# KiCad board lpddr5-testbed.kicad_pcb (continued)
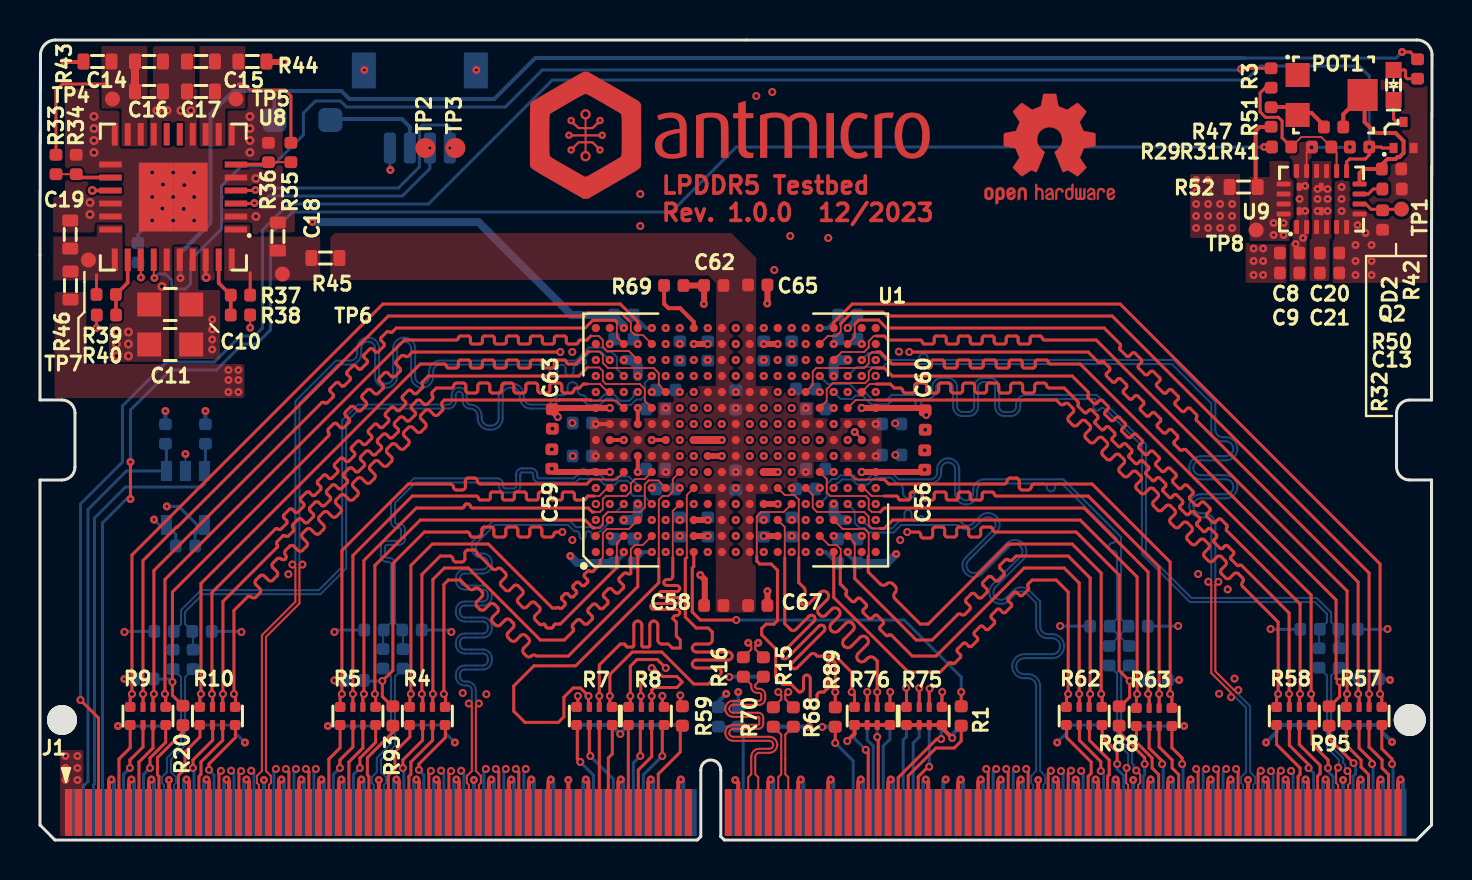
[diagram p0: board, top side]
## Routing (per net, layer and track width the routed paths; a pad name or vN(x,y) marks a point on that pad's centre or on a via; arc(x,y) is an arc through that point) (continued)
  Bottom w0.102: v2(21.95,6.83) 21.8,6.97
/LPDDR5/LPDDR5_A.RDQS1_N: length 47.3
  Top w0.1: 10.95,1.38 10.95,2.76 10.85,2.86 10.85,3.2
  Top w0.102: v2(12.62,13.77) 12.77,13.62 12.77,11.91 11.1,10.24 11.1,3.45 10.85,3.2 10.85,3.2
  Bottom w0.1: v1(29.2,23.2) 28.85,23.55 28.85,24.15 28.6,24.4 28.37,24.4 28.14,24.63 27.87,24.63
  Bottom w0.102: 27.87,24.63 27.46,24.63 26.8,23.97 20.01,23.97 arc(19.62,23.81) 19.46,23.42 19.46,23.17 arc(19.36,22.92) 19.11,22.82 arc(18.87,22.92) 18.77,23.17 18.77,24.57 arc(18.6,24.96) 18.21,25.12 arc(17.82,24.96) 17.66,24.57 17.66,23.17 arc(17.56,22.92) 17.31,22.82 arc(17.07,22.92) 16.97,23.17 16.97,24.57 arc(16.8,24.96) 16.41,25.12 arc(16.02,24.96) 15.86,24.57 15.86,24.32 arc(15.76,24.07) 15.51,23.97 14.8,23.97 12.77,21.94 12.77,13.92 v2(12.62,13.77)
/LPDDR5/LPDDR5_A.RDQS1_P: length 47.3
  Top w0.1: 11.55,3.2 11.55,2.86 11.45,2.76 11.45,1.38
  Top w0.102: 11.55,3.2 11.55,3.2 11.3,3.45 11.3,10.15 12.98,11.83 12.98,13.62 v2(13.13,13.77)
  Bottom w0.1: v1(28.5,24) 28.48,24 28.06,24.42 27.87,24.42
  Bottom w0.102: v2(13.13,13.77) 12.98,13.92 12.98,21.86 14.89,23.77 15.51,23.77 arc(15.9,23.93) 16.07,24.32 16.07,24.57 arc(16.17,24.82) 16.41,24.92 arc(16.66,24.82) 16.76,24.57 16.76,23.17 arc(16.92,22.78) 17.31,22.62 arc(17.7,22.78) 17.87,23.17 17.87,24.57 arc(17.97,24.82) 18.21,24.92 arc(18.46,24.82) 18.56,24.57 18.56,23.17 arc(18.72,22.78) 19.11,22.62 arc(19.5,22.78) 19.67,23.17 19.67,23.42 arc(19.77,23.67) 20.01,23.77 25.29,23.77 arc(25.43,23.71) 25.49,23.57 25.49,23.42 arc(25.55,23.28) 25.69,23.22 arc(25.83,23.28) 25.89,23.42 25.89,23.57 arc(25.95,23.71) 26.09,23.77 arc(26.23,23.71) 26.29,23.57 26.29,23.42 arc(26.35,23.28) 26.49,23.22 arc(26.63,23.28) 26.69,23.42 26.69,23.57 arc(26.75,23.71) 26.89,23.77 26.94,23.83 arc(27.03,23.86) 27.12,23.83 27.12,23.82 arc(27.21,23.79) 27.29,23.82 arc(27.33,23.91) 27.29,23.99 27.29,24 arc(27.25,24.08) 27.29,24.17 27.54,24.42 27.87,24.42
/LPDDR5/LPDDR5_A.WCK0_N: length 24.7
  Bottom w0.1: v1(29.9,17.6) 29.9,17.78 29.81,17.87 29.76,17.87 29.49,18.13 ; R11.2 17.16,10.47 R25.1
  Bottom w0.102: R25.1 17.55,10.86 17.55,13.81 arc(17.52,13.88) 17.46,13.91 17.35,13.91 arc(17.14,14) 17.05,14.21 17.05,14.66 arc(17.14,14.87) 17.35,14.96 17.96,14.96 arc(18.03,14.99) 18.06,15.06 18.06,15.51 arc(18.03,15.58) 17.96,15.61 17.86,15.61 arc(17.64,15.7) 17.55,15.91 17.55,16.93 18.7,18.08 22.87,18.08 arc(23.08,17.99) 23.17,17.78 23.17,17.68 arc(23.2,17.61) 23.27,17.58 23.72,17.58 arc(23.79,17.61) 23.82,17.68 23.82,18.28 arc(23.9,18.49) 24.12,18.58 24.57,18.58 arc(24.78,18.49) 24.87,18.28 24.87,18.18 arc(24.9,18.11) 24.97,18.08 26.7,18.08 26.88,18.26 26.92,18.26 arc(27.01,18.3) 27.05,18.39 27.05,18.44 arc(27.09,18.52) 27.17,18.56 arc(27.26,18.52) 27.3,18.44 27.3,18.39 arc(27.34,18.3) 27.42,18.26 arc(27.51,18.3) 27.55,18.39 27.55,18.44 arc(27.59,18.52) 27.67,18.56 arc(27.76,18.52) 27.8,18.44 27.8,18.39 arc(27.84,18.3) 27.92,18.26 28.03,18.26 28.32,17.97 28.67,17.97 28.87,18.17 29.46,18.17 29.49,18.13
/LPDDR5/LPDDR5_A.WCK0_P: length 24.8
  Bottom w0.1: 29.41,17.93 29.55,17.79 29.55,17.33 29.68,17.2 30.2,17.2 v1(30.6,16.8) ; R12.2 18.16,10.47 R48.1
  Bottom w0.102: R48.1 17.76,10.86 17.76,13.81 arc(17.67,14.02) 17.46,14.11 17.35,14.11 arc(17.28,14.14) 17.26,14.21 17.26,14.66 arc(17.28,14.73) 17.35,14.76 17.96,14.76 arc(18.17,14.85) 18.26,15.06 18.26,15.51 arc(18.17,15.72) 17.96,15.81 17.86,15.81 arc(17.79,15.84) 17.76,15.91 17.76,16.85 18.79,17.88 22.87,17.88 arc(22.94,17.85) 22.97,17.78 22.97,17.68 arc(23.05,17.47) 23.27,17.38 23.72,17.38 arc(23.93,17.47) 24.02,17.68 24.02,18.28 arc(24.05,18.35) 24.12,18.38 24.57,18.38 arc(24.64,18.35) 24.67,18.28 24.67,18.18 arc(24.75,17.97) 24.97,17.88 26.79,17.88 26.97,18.06 27.94,18.06 28.23,17.77 28.76,17.77 28.96,17.97 29.37,17.97 29.41,17.93
/LPDDR5/LPDDR5_A.WCK1_N: length 39.6
  Bottom w0.09: v1(29.9,22.4) 29.83,22.4
  Bottom w0.1: v1(29.9,22.4) 29.8,22.4 ; R13.2 6.66,10.39 R49.1
  Bottom w0.102: 29.81,22.4 29.83,22.4 ; 29.8,22.4 29.7,22.4 29.7,22.18 29.47,21.96 29.02,21.96 28.71,22.27 28.23,22.27 27.92,21.96 27.48,21.96 27.2,22.24 27.14,22.24 arc(26.96,22.31) 26.89,22.49 26.89,22.64 arc(26.81,22.82) 26.64,22.89 arc(26.46,22.82) 26.39,22.64 26.39,22.49 arc(26.31,22.31) 26.14,22.24 25.9,22.24 25.43,21.77 24.57,21.77 arc(24.3,21.88) 24.19,22.14 24.19,22.25 arc(24.02,22.65) 23.62,22.82 23.52,22.82 arc(23.11,22.65) 22.94,22.25 22.94,21.09 arc(22.83,20.83) 22.57,20.72 22.47,20.72 arc(22.2,20.83) 22.09,21.09 22.09,21.19 arc(21.92,21.6) 21.52,21.77 arc(21.39,21.82) 21.34,21.94 21.34,22.25 arc(21.23,22.51) 20.97,22.62 arc(20.7,22.51) 20.59,22.25 20.59,21.94 arc(20.54,21.82) 20.42,21.77 15.9,21.77 15.11,20.98 15.11,13.66 13.94,12.49 8.05,12.49 7.05,11.49 7.05,10.79 R49.1
/LPDDR5/LPDDR5_A.WCK1_P: length 39.6
  Bottom w0.1: R14.2 7.66,10.39 R53.1 ; v1(30.6,23.2) 30.25,22.85 30.25,22.21 30.06,22.02
  Bottom w0.102: R53.1 7.26,10.79 7.26,11.41 8.14,12.29 14.03,12.29 15.32,13.58 15.32,20.9 15.99,21.57 20.42,21.57 arc(20.68,21.68) 20.79,21.94 20.79,22.25 arc(20.84,22.37) 20.97,22.42 arc(21.09,22.37) 21.14,22.25 21.14,21.94 arc(21.25,21.68) 21.52,21.57 arc(21.78,21.46) 21.89,21.19 21.89,21.09 arc(22.06,20.69) 22.47,20.52 22.57,20.52 arc(22.97,20.69) 23.14,21.09 23.14,22.25 arc(23.25,22.51) 23.52,22.62 23.62,22.62 arc(23.88,22.51) 23.99,22.25 23.99,22.14 arc(24.16,21.74) 24.57,21.57 25.52,21.57 25.99,22.04 27.11,22.04 27.39,21.76 28.01,21.76 28.32,22.07 28.62,22.07 28.93,21.76 29.56,21.76 29.82,22.02 30.06,22.02
/LPDDR5/LPDDR5_B.CA0: length 21.9
  Top w0.15: R75.3 v2(43.97,7.6)
  In3.Cu w0.09: 40.72,13.6 40.75,13.62 40.75,19.76 41.09,20.11 41.09,20.73 40.75,21.07 40.75,22.53 40.49,22.8 38,22.8 v1(37.6,23.2)
  In3.Cu w0.15: v2(43.97,7.6) 43.97,10.1 40.72,13.35 40.72,13.6
  Bottom w0.15: R75.3 v2(43.97,7.6)
/LPDDR5/LPDDR5_B.CA1: length 21.8
  Top w0.15: R75.4 43.34,7.6 v2(43.33,7.61)
  In3.Cu w0.09: 40.03,13.6 40.05,13.62 40.05,21.78 39.83,22 37.3,22 v1(36.9,22.4)
  In3.Cu w0.15: v2(43.33,7.61) 43.33,7.61 43.33,8.53 arc(43.4,8.64) 43.53,8.69 arc(43.67,8.75) 43.72,8.89 43.72,9.09 arc(43.67,9.23) 43.53,9.29 arc(43.38,9.35) 43.33,9.49 43.33,9.8 42.83,10.29 arc(42.77,10.44) 42.83,10.58 arc(42.89,10.72) 42.83,10.86 42.69,11 arc(42.55,11.06) 42.41,11 arc(42.26,10.94) 42.12,11 40.03,13.1 40.03,13.6
  Bottom w0.15: R75.4 43.34,7.6 v2(43.33,7.61)
/LPDDR5/LPDDR5_B.CA2: length 21.8
  Top w0.15: R76.1 42.51,7.39 v2(42.53,7.4)
  In3.Cu w0.09: 38.62,13.4 38.65,13.42 38.65,19.38 38.37,19.66 37.94,19.66 v1(37.6,20)
  In3.Cu w0.15: 38.62,13.4 38.62,12.75 38.71,12.67 arc(38.81,12.62) 38.92,12.67 38.95,12.7 arc(39.06,12.75) 39.17,12.7 arc(39.21,12.6) 39.17,12.49 39.13,12.46 arc(39.09,12.35) 39.13,12.24 arc(39.24,12.2) 39.34,12.24 39.38,12.28 arc(39.48,12.32) 39.59,12.28 arc(39.63,12.17) 39.59,12.07 39.56,12.03 arc(39.51,11.93) 39.56,11.82 arc(39.66,11.78) 39.77,11.82 39.8,11.86 arc(39.91,11.9) 40.01,11.86 arc(40.06,11.75) 40.01,11.64 39.98,11.61 arc(39.94,11.5) 39.98,11.4 arc(40.09,11.35) 40.19,11.4 40.23,11.43 arc(40.33,11.47) 40.44,11.43 arc(40.48,11.32) 40.44,11.22 40.4,11.18 arc(40.36,11.08) 40.4,10.97 arc(40.51,10.93) 40.62,10.97 40.65,11.01 arc(40.76,11.05) 40.86,11.01 arc(40.91,10.9) 40.86,10.79 40.83,10.76 arc(40.78,10.65) 40.83,10.55 arc(40.93,10.5) 41.04,10.55 41.08,10.58 arc(41.18,10.63) 41.29,10.58 arc(41.33,10.48) 41.29,10.37 41.25,10.33 arc(41.21,10.23) 41.25,10.12 arc(41.36,10.08) 41.46,10.12 41.5,10.16 arc(41.61,10.2) 41.71,10.16 arc(41.76,10.05) 41.71,9.95 41.68,9.91 arc(41.63,9.8) 41.68,9.7 arc(41.78,9.65) 41.89,9.7 41.92,9.73 arc(42.03,9.78) 42.14,9.73 arc(42.18,9.63) 42.14,9.52 41.68,9.06 arc(41.63,8.96) 41.68,8.85 arc(41.78,8.81) 41.89,8.85 42.35,9.31 arc(42.45,9.35) 42.56,9.31 arc(42.6,9.2) 42.56,9.1 42.53,9.06 arc(42.48,8.96) 42.53,8.85 42.53,8.19 arc(42.55,8.14) 42.6,8.11 arc(42.65,8.09) 42.68,8.04 42.68,7.89 arc(42.65,7.84) 42.6,7.81 arc(42.55,7.79) 42.53,7.74 v2(42.53,7.4)
  Bottom w0.15: v2(42.53,7.4) 42.51,7.39 R76.1
/LPDDR5/LPDDR5_B.CA3: length 21.8
  Top w0.09: U1.P5 37.25,17.25 37.72,17.25 37.95,17.03 37.95,14.12
  Top w0.15: 37.95,14.12 37.95,12.88 38.2,12.62 arc(38.28,12.44) 38.2,12.27 38.1,12.16 arc(38.03,11.98) 38.1,11.81 arc(38.28,11.73) 38.45,11.81 39.02,12.37 arc(39.19,12.45) 39.37,12.37 arc(39.44,12.2) 39.37,12.02 38.95,11.6 arc(38.89,11.45) 38.95,11.31 39.02,11.24 arc(39.16,11.18) 39.3,11.24 39.6,11.54 arc(39.76,11.61) 39.92,11.54 39.95,11.51 arc(40.02,11.35) 39.95,11.19 39.58,10.82 arc(39.51,10.64) 39.58,10.46 arc(39.76,10.39) 39.94,10.46 40.31,10.84 arc(40.47,10.9) 40.63,10.84 40.66,10.8 arc(40.73,10.64) 40.66,10.48 40.22,10.04 arc(40.15,9.86) 40.22,9.69 arc(40.4,9.61) 40.57,9.69 41.02,10.13 arc(41.17,10.19) 41.33,10.13 41.37,10.09 arc(41.43,9.93) 41.37,9.77 40.93,9.33 arc(40.85,9.16) 40.93,8.98 arc(41.1,8.91) 41.28,8.98 41.39,9.09 arc(41.56,9.16) 41.74,9.08 41.88,8.95 v2(41.88,7.4) R76.2
  Bottom w0.15: R76.2 v2(41.88,7.4)
/LPDDR5/LPDDR5_B.CA4: length 21.7
  Top w0.15: R76.3 v2(41.38,7.4)
  In3.Cu w0.09: 37.93,13.6 37.94,13.62 37.94,17.74 37.74,17.94 37.68,17.94 37.6,18.03 v1(37.6,18.4)
  In3.Cu w0.15: v2(41.38,7.4) 41.38,7.66 arc(41.35,7.71) 41.3,7.73 arc(41.25,7.76) 41.22,7.81 41.22,8.01 arc(41.25,8.06) 41.3,8.08 42.1,8.08 arc(42.22,8.14) 42.28,8.26 arc(42.22,8.38) 42.1,8.44 41.3,8.44 arc(41.25,8.46) 41.22,8.51 41.22,8.71 arc(41.25,8.76) 41.3,8.78 arc(41.35,8.81) 41.38,8.86 41.38,9.25 41.27,9.36 arc(41.23,9.44) 41.27,9.53 arc(41.31,9.62) 41.27,9.71 41.2,9.78 arc(41.11,9.82) 41.02,9.78 40.81,9.57 arc(40.69,9.52) 40.56,9.57 arc(40.51,9.69) 40.56,9.82 40.77,10.03 arc(40.81,10.12) 40.77,10.2 40.7,10.28 arc(40.61,10.31) 40.53,10.28 40.31,10.06 arc(40.19,10.01) 40.07,10.06 arc(40.02,10.19) 40.07,10.31 40.28,10.52 arc(40.32,10.61) 40.28,10.7 40.21,10.77 arc(40.12,10.81) 40.03,10.77 39.82,10.56 arc(39.7,10.51) 39.57,10.56 arc(39.52,10.68) 39.57,10.81 39.78,11.02 arc(39.82,11.11) 39.78,11.19 39.71,11.27 arc(39.62,11.3) 39.54,11.27 39.32,11.05 arc(39.2,11) 39.08,11.05 arc(39.03,11.18) 39.08,11.3 39.29,11.51 arc(39.33,11.6) 39.29,11.69 39.22,11.76 arc(39.13,11.8) 39.04,11.76 38.83,11.55 arc(38.71,11.5) 38.58,11.55 arc(38.53,11.67) 38.58,11.8 38.79,12.01 arc(38.83,12.1) 38.79,12.18 38.72,12.26 arc(38.63,12.29) 38.55,12.26 38.33,12.04 arc(38.21,11.99) 38.09,12.04 arc(38.04,12.17) 38.09,12.29 arc(38.14,12.41) 38.09,12.54 37.93,12.7 37.93,13.6
  Bottom w0.15: R76.3 v2(41.38,7.4)
/LPDDR5/LPDDR5_B.CA5: length 21.9
  Top w0.09: 37.25,14.12 37.25,15.65 U1.P3
  Top w0.15: 37.25,14.12 37.25,10.81 37.55,10.52 arc(37.67,10.47) 37.8,10.52 38.47,11.19 arc(38.59,11.24) 38.71,11.19 arc(38.77,11.07) 38.71,10.94 37.12,9.35 arc(37.07,9.23) 37.12,9.1 arc(37.25,9.05) 37.37,9.1 38.96,10.69 arc(39.09,10.75) 39.21,10.69 arc(39.26,10.57) 39.21,10.45 37.62,8.86 arc(37.57,8.73) 37.62,8.61 arc(37.74,8.56) 37.87,8.61 38.54,9.28 arc(38.66,9.33) 38.78,9.28 38.88,9.19 39.79,9.19 40.6,8.38 v2(40.6,7.4) 40.74,7.26 R76.4
  Bottom w0.15: R76.4 40.74,7.26 v2(40.6,7.4)
/LPDDR5/LPDDR5_B.CA6: length 22.3
  Top w0.09: U1.R4 37.2,16.4 36.08,16.4 35.85,16.17 35.85,14.17
  Top w0.15: 35.85,14.17 35.85,13.94 36,13.8 36.58,13.8 36.89,13.49 36.89,10.97 36.71,10.8 36.31,10.8 36.09,10.58 36.09,10.26 36.8,9.56 36.8,8.14 37.16,7.78 37.58,7.78 37.96,7.4 38.02,7.4 arc(38.14,7.45) 38.19,7.57 38.19,8.08 arc(38.23,8.2) 38.36,8.25 arc(38.48,8.2) 38.53,8.08 38.53,6.72 arc(38.57,6.6) 38.69,6.55 arc(38.82,6.6) 38.87,6.72 38.87,7.23 arc(38.91,7.35) 39.03,7.4 39.22,7.4 39.41,7.6 39.41,8.83 39.53,8.95 39.69,8.95 39.78,8.87 v2(39.78,7.4) R89.2
  Bottom w0.15: R89.2 v2(39.78,7.4)
/LPDDR5/LPDDR5_B.CK_N: length 21.9
  Top w0.1: R68.2 37.28,7.03 37.28,7.25 v2(37.43,7.4)
  In3.Cu w0.1: v1(36.2,19.2) 36.45,18.95 36.45,18.73 36.28,18.56 36.28,16.55 36.78,16.05 36.78,12.28 arc(36.86,12.09) 37.05,12 37.15,12 arc(37.2,11.98) 37.22,11.93 37.22,11.68 arc(37.2,11.63) 37.15,11.61 36.38,11.61 arc(36.09,11.49) 35.97,11.2 arc(36.09,10.92) 36.38,10.81 37.68,10.81 arc(37.82,10.75) 37.88,10.61 arc(37.82,10.46) 37.68,10.41 36.58,10.41 arc(36.36,10.32) 36.28,10.11 36.28,9.91 arc(36.36,9.69) 36.58,9.61 36.68,9.61 arc(36.75,9.58) 36.78,9.5 36.78,8.91 36.92,8.76 arc(36.97,8.65) 36.92,8.55 arc(36.88,8.44) 36.92,8.33 36.96,8.3 arc(37.07,8.26) 37.17,8.3 arc(37.28,8.34) 37.38,8.3 37.42,8.26 arc(37.46,8.16) 37.42,8.05 arc(37.38,7.95) 37.42,7.84 37.46,7.8 arc(37.56,7.76) 37.67,7.8 arc(37.77,7.85) 37.88,7.8 38.08,7.61 38.08,7.04 37.81,6.78 37.49,6.78 37.28,6.99 37.28,7.25 v2(37.43,7.4)
  Bottom w0.1: v2(37.43,7.4) 37.28,7.25 37.28,7.03 R68.2
/LPDDR5/LPDDR5_B.CK_P: length 21.9
  Top w0.1: v2(36.93,7.4) 37.08,7.25 37.08,7.03 R70.2
  In3.Cu w0.1: v1(36.9,19.2) 36.65,18.95 36.65,18.65 36.47,18.47 36.47,16.63 36.97,16.13 36.97,12.28 arc(37,12.23) 37.05,12.2 37.15,12.2 arc(37.34,12.12) 37.43,11.93 37.43,11.68 arc(37.34,11.49) 37.15,11.41 36.38,11.41 arc(36.23,11.35) 36.18,11.2 arc(36.23,11.06) 36.38,11 37.68,11 arc(37.96,10.89) 38.08,10.61 arc(37.96,10.32) 37.68,10.2 36.58,10.2 arc(36.5,10.18) 36.47,10.11 36.47,9.91 arc(36.5,9.83) 36.58,9.81 36.68,9.81 arc(36.89,9.72) 36.97,9.5 36.97,8.99 38.28,7.69 38.28,6.96 37.89,6.58 37.41,6.58 37.08,6.91 37.08,7.25 v2(36.93,7.4)
  Bottom w0.1: R70.2 37.08,7.03 37.08,7.25 v2(36.93,7.4)
/LPDDR5/LPDDR5_B.CS0: length 21.2
  Top w0.15: R75.1 45.11,7.39 v2(45.12,7.4)
  In3.Cu w0.09: v1(36.9,20.8) 37.25,20.45 37.25,13.7 37.41,13.55
  In3.Cu w0.15: v2(45.12,7.4) 44.71,6.98 42.86,6.98 42.81,7.03 41.22,7.03 40.97,7.27 40.97,8.8 37.47,12.31 37.47,13.49 37.41,13.55
  Bottom w0.15: v2(45.12,7.4) 45.11,7.39 R75.1
/LPDDR5/LPDDR5_B.CS1: length 22
  Top w0.15: R75.2 44.47,7.55 v2(44.5,7.57)
  In3.Cu w0.09: v2(37.6,21.6) 37.94,21.25 38.4,21.25 39.34,20.31 39.34,13.62 39.33,13.6
  In3.Cu w0.15: v2(44.5,7.57) 44.5,7.22 42.96,7.22 42.93,7.25 42.93,7.83 arc(42.95,7.88) 43,7.91 arc(43.05,7.93) 43.08,7.98 43.08,8.43 arc(43.05,8.48) 43,8.5 arc(42.95,8.53) 42.93,8.58 42.93,9.3 42.54,9.69 arc(42.48,9.81) 42.54,9.94 arc(42.59,10.06) 42.54,10.18 42.36,10.36 arc(42.24,10.41) 42.11,10.36 arc(41.99,10.31) 41.86,10.36 41.69,10.54 arc(41.64,10.66) 41.69,10.78 arc(41.74,10.91) 41.69,11.03 41.51,11.21 arc(41.39,11.26) 41.26,11.21 arc(41.14,11.16) 41.02,11.21 40.84,11.39 arc(40.79,11.51) 40.84,11.63 arc(40.89,11.76) 40.84,11.88 40.66,12.06 arc(40.54,12.11) 40.41,12.06 arc(40.29,12.01) 40.17,12.06 39.33,12.9 39.33,13.6
  Bottom w0.15: R75.2 44.47,7.55 v2(44.5,7.57)
/LPDDR5/LPDDR5_B.DMI0: length 48
  Top w0.15: R95.2 64.52,6.69 65,7.17 v2(65,7.9) 64.83,8.08 64.83,12 57.32,19.51 57.3,19.51 arc(57.23,19.54) 57.16,19.51 arc(57.09,19.48) 57.02,19.51 56.73,19.79 arc(56.7,19.86) 56.73,19.93 56.74,19.93 56.88,20.08 arc(56.91,20.15) 56.88,20.22 56.6,20.51 arc(56.53,20.54) 56.46,20.51 56.32,20.36 arc(56.25,20.34) 56.18,20.36 55.89,20.65 arc(55.87,20.72) 55.89,20.79 56.04,20.93 arc(56.07,21) 56.04,21.07 55.75,21.35 arc(55.68,21.38) 55.61,21.35 55.47,21.21 arc(55.4,21.18) 55.33,21.21 55.05,21.5 arc(55.02,21.57) 55.05,21.64 55.19,21.78 arc(55.22,21.85) 55.19,21.92 54.9,22.2 arc(54.83,22.23) 54.76,22.2 54.62,22.06 arc(54.55,22.03) 54.48,22.06 54.2,22.34 arc(54.17,22.42) 54.2,22.49 54.34,22.63 arc(54.37,22.7) 54.34,22.77 54.06,23.05 arc(53.99,23.08) 53.91,23.05 53.77,22.91 arc(53.7,22.88) 53.63,22.91 53.35,23.19 arc(53.32,23.26) 53.35,23.33 53.49,23.48 arc(53.52,23.55) 53.49,23.62 53.21,23.9 arc(53.14,23.93) 53.07,23.9 arc(53,23.87) 52.93,23.9 52.43,24.4 v2(43.47,24.4) ; J1.229 59.93,3.45 v2(59.82,3.55) ; U1.AA12 v2(41.79,23.2)
  In3.Cu w0.15: v2(43.47,24.4) 42.28,23.2 v2(41.79,23.2) ; v2(65,7.9) 65,7.18 63.22,5.4 62.47,5.4 61.58,4.5 60.77,4.5 v2(59.82,3.55)
  Bottom w0.15: R96.1 65.15,8.05 v2(65,7.9)
/LPDDR5/LPDDR5_B.DMI1: length 33.7
  Top w0.15: R88.2 54.04,6.69 54.5,7.15 v2(54.5,7.95) 53.97,8.48 53.97,13.25 51.83,15.4 47.78,15.4 arc(47.69,15.44) 47.65,15.53 arc(47.61,15.61) 47.53,15.65 47.18,15.65 arc(47.09,15.61) 47.05,15.53 47.05,15.28 arc(47.01,15.19) 46.93,15.15 46.58,15.15 arc(46.49,15.19) 46.45,15.28 46.45,15.53 arc(46.41,15.61) 46.33,15.65 45.97,15.65 arc(45.89,15.61) 45.85,15.53 45.85,15.28 arc(45.81,15.19) 45.72,15.15 45.38,15.15 arc(45.29,15.19) 45.25,15.28 45.25,15.53 arc(45.21,15.61) 45.12,15.65 44.78,15.65 arc(44.69,15.61) 44.65,15.53 44.65,15.22 arc(44.61,15.14) 44.53,15.1 44.18,15.1 arc(44.09,15.14) 44.05,15.22 44.05,15.28 arc(44.01,15.36) 43.93,15.4 43.38,15.4 v2(43.38,15.4) ; J1.187 49.43,3.45 v2(49.32,3.55)
  In3.Cu w0.15: v2(43.38,15.4) 43.2,15.4 v1(41.8,16.8) ; v2(54.5,7.95) 54.5,7.18 52.72,5.4 51.97,5.4 51.08,4.5 50.27,4.5 v2(49.32,3.55)
  Bottom w0.15: v2(54.5,7.95) 55.39,7.95 R91.1
/LPDDR5/LPDDR5_B.DQ0: length 49.7
  Top w0.15: R57.5 67.11,7.21 v2(67.03,7.3) 67.03,13.8 54.03,26.8 40.62,26.8 39.7,25.88 U1.V15
  In3.Cu w0.15: v2(67.03,7.3) 67.03,6.8 64.43,4.2 63.32,4.2 v2(62.58,3.45)
  Bottom w0.15: J1.240 62.68,3.35 v2(62.58,3.45) ; R57.5 67.11,7.21 v2(67.03,7.3)
/LPDDR5/LPDDR5_B.DQ1: length 49.6
  Top w0.09: 40.77,25.81 40.75,25.79 40.75,25.15 U1.W14
  Top w0.15: 40.77,25.81 40.96,26 41.94,26 42.34,25.6 53.22,25.6 54.03,24.8 arc(54.05,24.73) 54.02,24.66 arc(54,24.59) 54.03,24.52 54.34,24.2 arc(54.41,24.17) 54.48,24.2 54.63,24.34 arc(54.7,24.37) 54.77,24.34 55.09,24.02 arc(55.11,23.95) 55.09,23.88 54.94,23.74 arc(54.91,23.67) 54.94,23.6 55.26,23.28 arc(55.33,23.25) 55.4,23.28 55.55,23.42 arc(55.62,23.45) 55.69,23.42 56,23.1 arc(56.03,23.03) 56,22.96 55.86,22.82 arc(55.83,22.75) 55.86,22.68 56.18,22.36 arc(56.25,22.33) 56.32,22.36 56.46,22.5 arc(56.54,22.53) 56.61,22.5 56.92,22.18 arc(56.95,22.11) 56.92,22.04 56.78,21.9 arc(56.75,21.83) 56.78,21.76 57.1,21.44 arc(57.17,21.41) 57.24,21.44 57.38,21.58 arc(57.45,21.61) 57.53,21.58 57.84,21.26 arc(57.87,21.19) 57.84,21.12 arc(57.81,21.05) 57.84,20.98 65.93,12.9 v2(65.93,7.3) 65.97,7.25 R57.7
  In3.Cu w0.15: v2(65.93,7.3) 65.93,6.9 63.83,4.8 62.83,4.8 61.57,3.54 v2(61.57,3.45)
  Bottom w0.15: v2(65.93,7.3) 65.97,7.25 R57.7 ; J1.236 61.68,3.34 v2(61.57,3.45)
/LPDDR5/LPDDR5_B.DQ2: length 49.5
  Top w0.09: 40.05,25.78 40.05,25.42 39.83,25.2 39.4,25.2 U1.U14
  Top w0.15: J1.237 61.93,3.33 v2(62.07,3.47) ; R57.6 v2(66.47,7.3) 66.47,13.35 53.62,26.2 42.36,26.2 42.16,26.4 40.62,26.4 40.05,25.83 40.05,25.78
  In3.Cu w0.15: v2(66.47,7.3) 66.47,6.85 64.12,4.5 63.09,4.5 62.07,3.48 v2(62.07,3.47)
  Bottom w0.15: R57.6 v2(66.47,7.3)
/LPDDR5/LPDDR5_B.DQ3: length 49.5
  Top w0.09: U1.V13 40.1,24.4 41.22,24.4 41.45,24.62 41.45,24.94 41.71,25.2 41.83,25.2
  Top w0.15: R57.8 65.34,7.26 v2(65.38,7.3) 65.38,12.45 52.83,25 50.22,25 arc(50.15,25.03) 50.12,25.1 arc(50.1,25.17) 50.03,25.2 49.62,25.2 arc(49.55,25.17) 49.53,25.1 49.53,24.9 arc(49.5,24.83) 49.43,24.8 49.03,24.8 arc(48.95,24.83) 48.93,24.9 48.93,25.1 arc(48.9,25.17) 48.83,25.2 48.43,25.2 arc(48.35,25.17) 48.33,25.1 48.33,24.9 arc(48.3,24.83) 48.22,24.8 47.83,24.8 arc(47.75,24.83) 47.72,24.9 47.72,25.1 arc(47.7,25.17) 47.62,25.2 47.22,25.2 arc(47.15,25.17) 47.12,25.1 47.12,24.9 arc(47.1,24.83) 47.03,24.8 46.62,24.8 arc(46.55,24.83) 46.53,24.9 46.53,25.1 arc(46.5,25.17) 46.43,25.2 46.03,25.2 arc(45.95,25.17) 45.93,25.1 45.93,24.9 arc(45.9,24.83) 45.83,24.8 45.43,24.8 arc(45.35,24.83) 45.33,24.9 45.33,25.1 arc(45.3,25.17) 45.22,25.2 44.83,25.2 arc(44.75,25.17) 44.72,25.1 44.72,24.9 arc(44.7,24.83) 44.62,24.8 44.22,24.8 arc(44.15,24.83) 44.12,24.9 arc(44.1,24.97) 44.03,25 42.43,25 42.22,25.2 41.83,25.2 ; J1.233 60.93,3.33 v2(61.06,3.46)
  In3.Cu w0.15: v2(61.06,3.46) 61.06,3.63 62.53,5.1 63.53,5.1 65.38,6.95 v2(65.38,7.3)
  Bottom w0.15: R57.8 65.34,7.26 v2(65.38,7.3)
/LPDDR5/LPDDR5_B.DQ4: length 49.6
  Top w0.09: 41.83,22.8 41.5,22.8 U1.Y11
  Top w0.15: R58.7 62.49,7.29 v2(62.47,7.3) 62.47,11.35 60.09,13.73 arc(60.04,13.75) 59.99,13.73 arc(59.93,13.71) 59.88,13.73 59.56,14.05 arc(59.54,14.1) 59.56,14.16 59.69,14.28 arc(59.71,14.35) 59.69,14.42 59.4,14.71 arc(59.33,14.73) 59.26,14.71 59.14,14.58 arc(59.08,14.56) 59.03,14.58 58.71,14.9 arc(58.69,14.95) 58.71,15.01 58.84,15.13 arc(58.87,15.2) 58.84,15.27 58.55,15.55 arc(58.48,15.58) 58.41,15.55 58.29,15.43 arc(58.24,15.41) 58.18,15.43 57.86,15.75 arc(57.84,15.8) 57.86,15.85 57.99,15.98 arc(58.02,16.05) 57.99,16.12 57.71,16.4 arc(57.63,16.43) 57.56,16.4 57.44,16.28 arc(57.39,16.26) 57.33,16.28 57.02,16.6 arc(56.99,16.65) 57.02,16.7 57.14,16.83 arc(57.17,16.9) 57.14,16.97 56.86,17.25 arc(56.79,17.28) 56.72,17.25 56.59,17.13 arc(56.54,17.11) 56.49,17.13 56.17,17.45 arc(56.15,17.5) 56.17,17.55 56.29,17.68 arc(56.32,17.75) 56.29,17.82 56.01,18.1 arc(55.94,18.13) 55.87,18.1 55.74,17.98 arc(55.69,17.95) 55.64,17.98 55.32,18.29 arc(55.3,18.35) 55.32,18.4 55.44,18.52 arc(55.47,18.59) 55.44,18.66 55.16,18.95 arc(55.09,18.98) 55.02,18.95 54.89,18.82 arc(54.84,18.8) 54.79,18.82 54.47,19.14 arc(54.45,19.2) 54.47,19.25 54.59,19.37 arc(54.62,19.44) 54.59,19.51 54.31,19.8 arc(54.24,19.83) 54.17,19.8 54.05,19.67 arc(53.99,19.65) 53.94,19.67 53.62,19.99 arc(53.6,20.04) 53.62,20.1 53.75,20.22 arc(53.78,20.29) 53.75,20.36 53.46,20.64 arc(53.39,20.67) 53.32,20.64 53.2,20.52 arc(53.14,20.5) 53.09,20.52 52.77,20.84 arc(52.75,20.89) 52.77,20.95 52.9,21.07 arc(52.93,21.14) 52.9,21.21 52.61,21.49 arc(52.54,21.52) 52.47,21.49 52.35,21.37 arc(52.3,21.35) 52.24,21.37 51.93,21.69 arc(51.9,21.74) 51.93,21.79 arc(51.95,21.85) 51.93,21.9 51.22,22.6 50.47,22.6 arc(50.39,22.64) 50.35,22.72 arc(50.31,22.81) 50.22,22.85 49.88,22.85 arc(49.79,22.81) 49.75,22.72 49.75,22.47 arc(49.71,22.39) 49.62,22.35 49.28,22.35 arc(49.19,22.39) 49.15,22.47 49.15,22.72 arc(49.11,22.81) 49.03,22.85 48.68,22.85 arc(48.59,22.81) 48.55,22.72 48.55,22.47 arc(48.51,22.39) 48.43,22.35 48.08,22.35 arc(47.99,22.39) 47.95,22.47 47.95,22.72 arc(47.91,22.81) 47.83,22.85 47.47,22.85 arc(47.39,22.81) 47.35,22.72 47.35,22.47 arc(47.31,22.39) 47.22,22.35 46.88,22.35 arc(46.79,22.39) 46.75,22.47 46.75,22.72 arc(46.71,22.81) 46.62,22.85 46.28,22.85 arc(46.19,22.81) 46.15,22.72 46.15,22.47 arc(46.11,22.39) 46.03,22.35 45.68,22.35 arc(45.59,22.39) 45.55,22.47 45.55,22.72 arc(45.51,22.81) 45.43,22.85 45.08,22.85 arc(44.99,22.81) 44.95,22.72 44.95,22.47 arc(44.91,22.39) 44.83,22.35 44.47,22.35 arc(44.39,22.39) 44.35,22.47 44.35,22.72 arc(44.31,22.81) 44.22,22.85 43.88,22.85 arc(43.79,22.81) 43.75,22.72 43.75,22.47 arc(43.71,22.39) 43.62,22.35 43.28,22.35 arc(43.19,22.39) 43.15,22.47 arc(43.11,22.56) 43.03,22.6 42.72,22.6 42.53,22.8 41.83,22.8
  In3.Cu w0.15: v2(58.33,3.55) 58.33,3.8 60.47,5.95 61.43,5.95 62.47,7 v2(62.47,7.3)
  Bottom w0.15: v2(62.47,7.3) 62.49,7.29 R58.7 ; J1.222 58.18,3.4 v2(58.33,3.55)
/LPDDR5/LPDDR5_B.DQ5: length 49.2
  Top w0.09: U1.W10 40.8,22 41.83,22
  Top w0.15: J1.221 57.93,3.45 v2(57.83,3.55) ; 61.85,6.65 61.85,7.22 v2(61.93,7.3) 61.93,10.9 60.15,12.68 arc(60.1,12.78) 60.15,12.89 arc(60.19,13) 60.15,13.1 59.93,13.31 arc(59.83,13.36) 59.72,13.31 59.51,13.1 arc(59.4,13.06) 59.3,13.1 59.09,13.31 arc(59.04,13.42) 59.09,13.53 59.3,13.74 arc(59.34,13.85) 59.3,13.95 59.09,14.16 arc(58.98,14.21) 58.87,14.16 58.66,13.95 arc(58.56,13.91) 58.45,13.95 58.24,14.16 arc(58.19,14.27) 58.24,14.38 58.45,14.59 arc(58.49,14.69) 58.45,14.8 58.24,15.01 arc(58.13,15.06) 58.03,15.01 57.81,14.8 arc(57.71,14.76) 57.6,14.8 57.39,15.01 arc(57.35,15.12) 57.39,15.22 57.6,15.44 arc(57.65,15.54) 57.6,15.65 57.39,15.86 arc(57.28,15.9) 57.18,15.86 56.96,15.65 arc(56.86,15.6) 56.75,15.65 56.54,15.86 arc(56.5,15.97) 56.54,16.07 56.75,16.28 arc(56.8,16.39) 56.75,16.5 56.54,16.71 arc(56.43,16.75) 56.33,16.71 56.12,16.5 arc(56.01,16.45) 55.9,16.5 55.69,16.71 arc(55.65,16.81) 55.69,16.92 55.9,17.13 arc(55.95,17.24) 55.9,17.35 55.69,17.56 arc(55.59,17.6) 55.48,17.56 55.27,17.35 arc(55.16,17.3) 55.06,17.35 54.84,17.56 arc(54.8,17.66) 54.84,17.77 55.06,17.98 arc(55.1,18.09) 55.06,18.19 54.84,18.41 arc(54.74,18.45) 54.63,18.41 54.42,18.19 arc(54.31,18.15) 54.21,18.19 53.99,18.41 arc(53.95,18.51) 53.99,18.62 54.21,18.83 arc(54.25,18.94) 54.21,19.04 53.99,19.25 arc(53.89,19.3) 53.78,19.25 53.57,19.04 arc(53.46,19) 53.36,19.04 53.15,19.25 arc(53.1,19.36) 53.15,19.47 53.36,19.68 arc(53.4,19.78) 53.36,19.89 53.15,20.1 arc(53.04,20.15) 52.93,20.1 52.72,19.89 arc(52.62,19.85) 52.51,19.89 52.3,20.1 arc(52.25,20.21) 52.3,20.32 52.51,20.53 arc(52.55,20.63) 52.51,20.74 52.3,20.95 arc(52.19,21) 52.09,20.95 51.87,20.74 arc(51.77,20.7) 51.66,20.74 51.45,20.95 arc(51.41,21.06) 51.45,21.16 51.66,21.38 arc(51.71,21.48) 51.66,21.59 51.45,21.8 arc(51.34,21.84) 51.24,21.8 arc(51.13,21.76) 51.03,21.8 50.83,22 41.83,22
  In3.Cu w0.15: v2(61.93,7.3) 61.93,7 61.22,6.3 60.28,6.3 57.83,3.85 v2(57.83,3.55)
  Bottom w0.15: 61.85,6.65 61.85,7.22 v2(61.93,7.3)
/LPDDR5/LPDDR5_B.DQ6: length 49.4
  Top w0.09: 41.83,23.6 41.62,23.6 41.45,23.42 41.45,23.03 41.27,22.85 39.65,22.85 39.35,22.54 39.35,21.95 U1.U10
  Top w0.15: J1.225 58.93,3.45 v2(58.83,3.55) ; 41.83,23.6 42.22,23.6 42.62,23.2 51.62,23.2 52.43,22.4 arc(52.45,22.33) 52.42,22.26 arc(52.4,22.19) 52.43,22.12 52.71,21.83 arc(52.78,21.81) 52.85,21.83 52.99,21.98 arc(53.06,22.01) 53.13,21.98 53.41,21.69 arc(53.44,21.62) 53.41,21.55 53.27,21.41 arc(53.24,21.34) 53.27,21.27 53.56,20.99 arc(53.63,20.96) 53.7,20.99 53.84,21.13 arc(53.91,21.16) 53.98,21.13 54.26,20.84 arc(54.29,20.77) 54.26,20.7 54.12,20.56 arc(54.09,20.49) 54.12,20.42 54.4,20.14 arc(54.48,20.11) 54.55,20.14 54.69,20.28 arc(54.76,20.31) 54.83,20.28 55.11,20 arc(55.14,19.93) 55.11,19.85 54.97,19.71 arc(54.94,19.64) 54.97,19.57 55.25,19.29 arc(55.32,19.26) 55.39,19.29 55.54,19.43 arc(55.61,19.46) 55.68,19.43 55.96,19.15 arc(55.99,19.08) 55.96,19.01 55.82,18.86 arc(55.79,18.79) 55.82,18.72 56.1,18.44 arc(56.17,18.41) 56.24,18.44 56.38,18.58 arc(56.46,18.61) 56.53,18.58 56.81,18.3 arc(56.84,18.23) 56.81,18.16 56.67,18.02 arc(56.64,17.95) 56.67,17.87 56.95,17.59 arc(57.02,17.56) 57.09,17.59 57.23,17.73 arc(57.3,17.76) 57.37,17.73 57.66,17.45 arc(57.69,17.38) 57.66,17.31 57.52,17.17 arc(57.49,17.1) 57.52,17.03 57.8,16.74 arc(57.87,16.71) 57.94,16.74 58.08,16.88 arc(58.15,16.91) 58.22,16.88 58.51,16.6 arc(58.54,16.53) 58.51,16.46 58.36,16.32 arc(58.34,16.25) 58.36,16.18 58.65,15.89 arc(58.72,15.87) 58.79,15.89 58.93,16.04 arc(59,16.07) 59.07,16.04 59.35,15.75 arc(59.38,15.68) 59.35,15.61 arc(59.33,15.54) 59.35,15.47 63.03,11.8 v2(63.03,7.3) 62.99,7.26 R58.6
  In3.Cu w0.15: v2(63.03,7.3) 63.03,6.95 61.68,5.6 60.68,5.6 58.83,3.75 v2(58.83,3.55)
  Bottom w0.15: v2(63.03,7.3) 62.99,7.26 R58.6
